# KiCad board TEST_PANEL.kicad_pcb (continued)
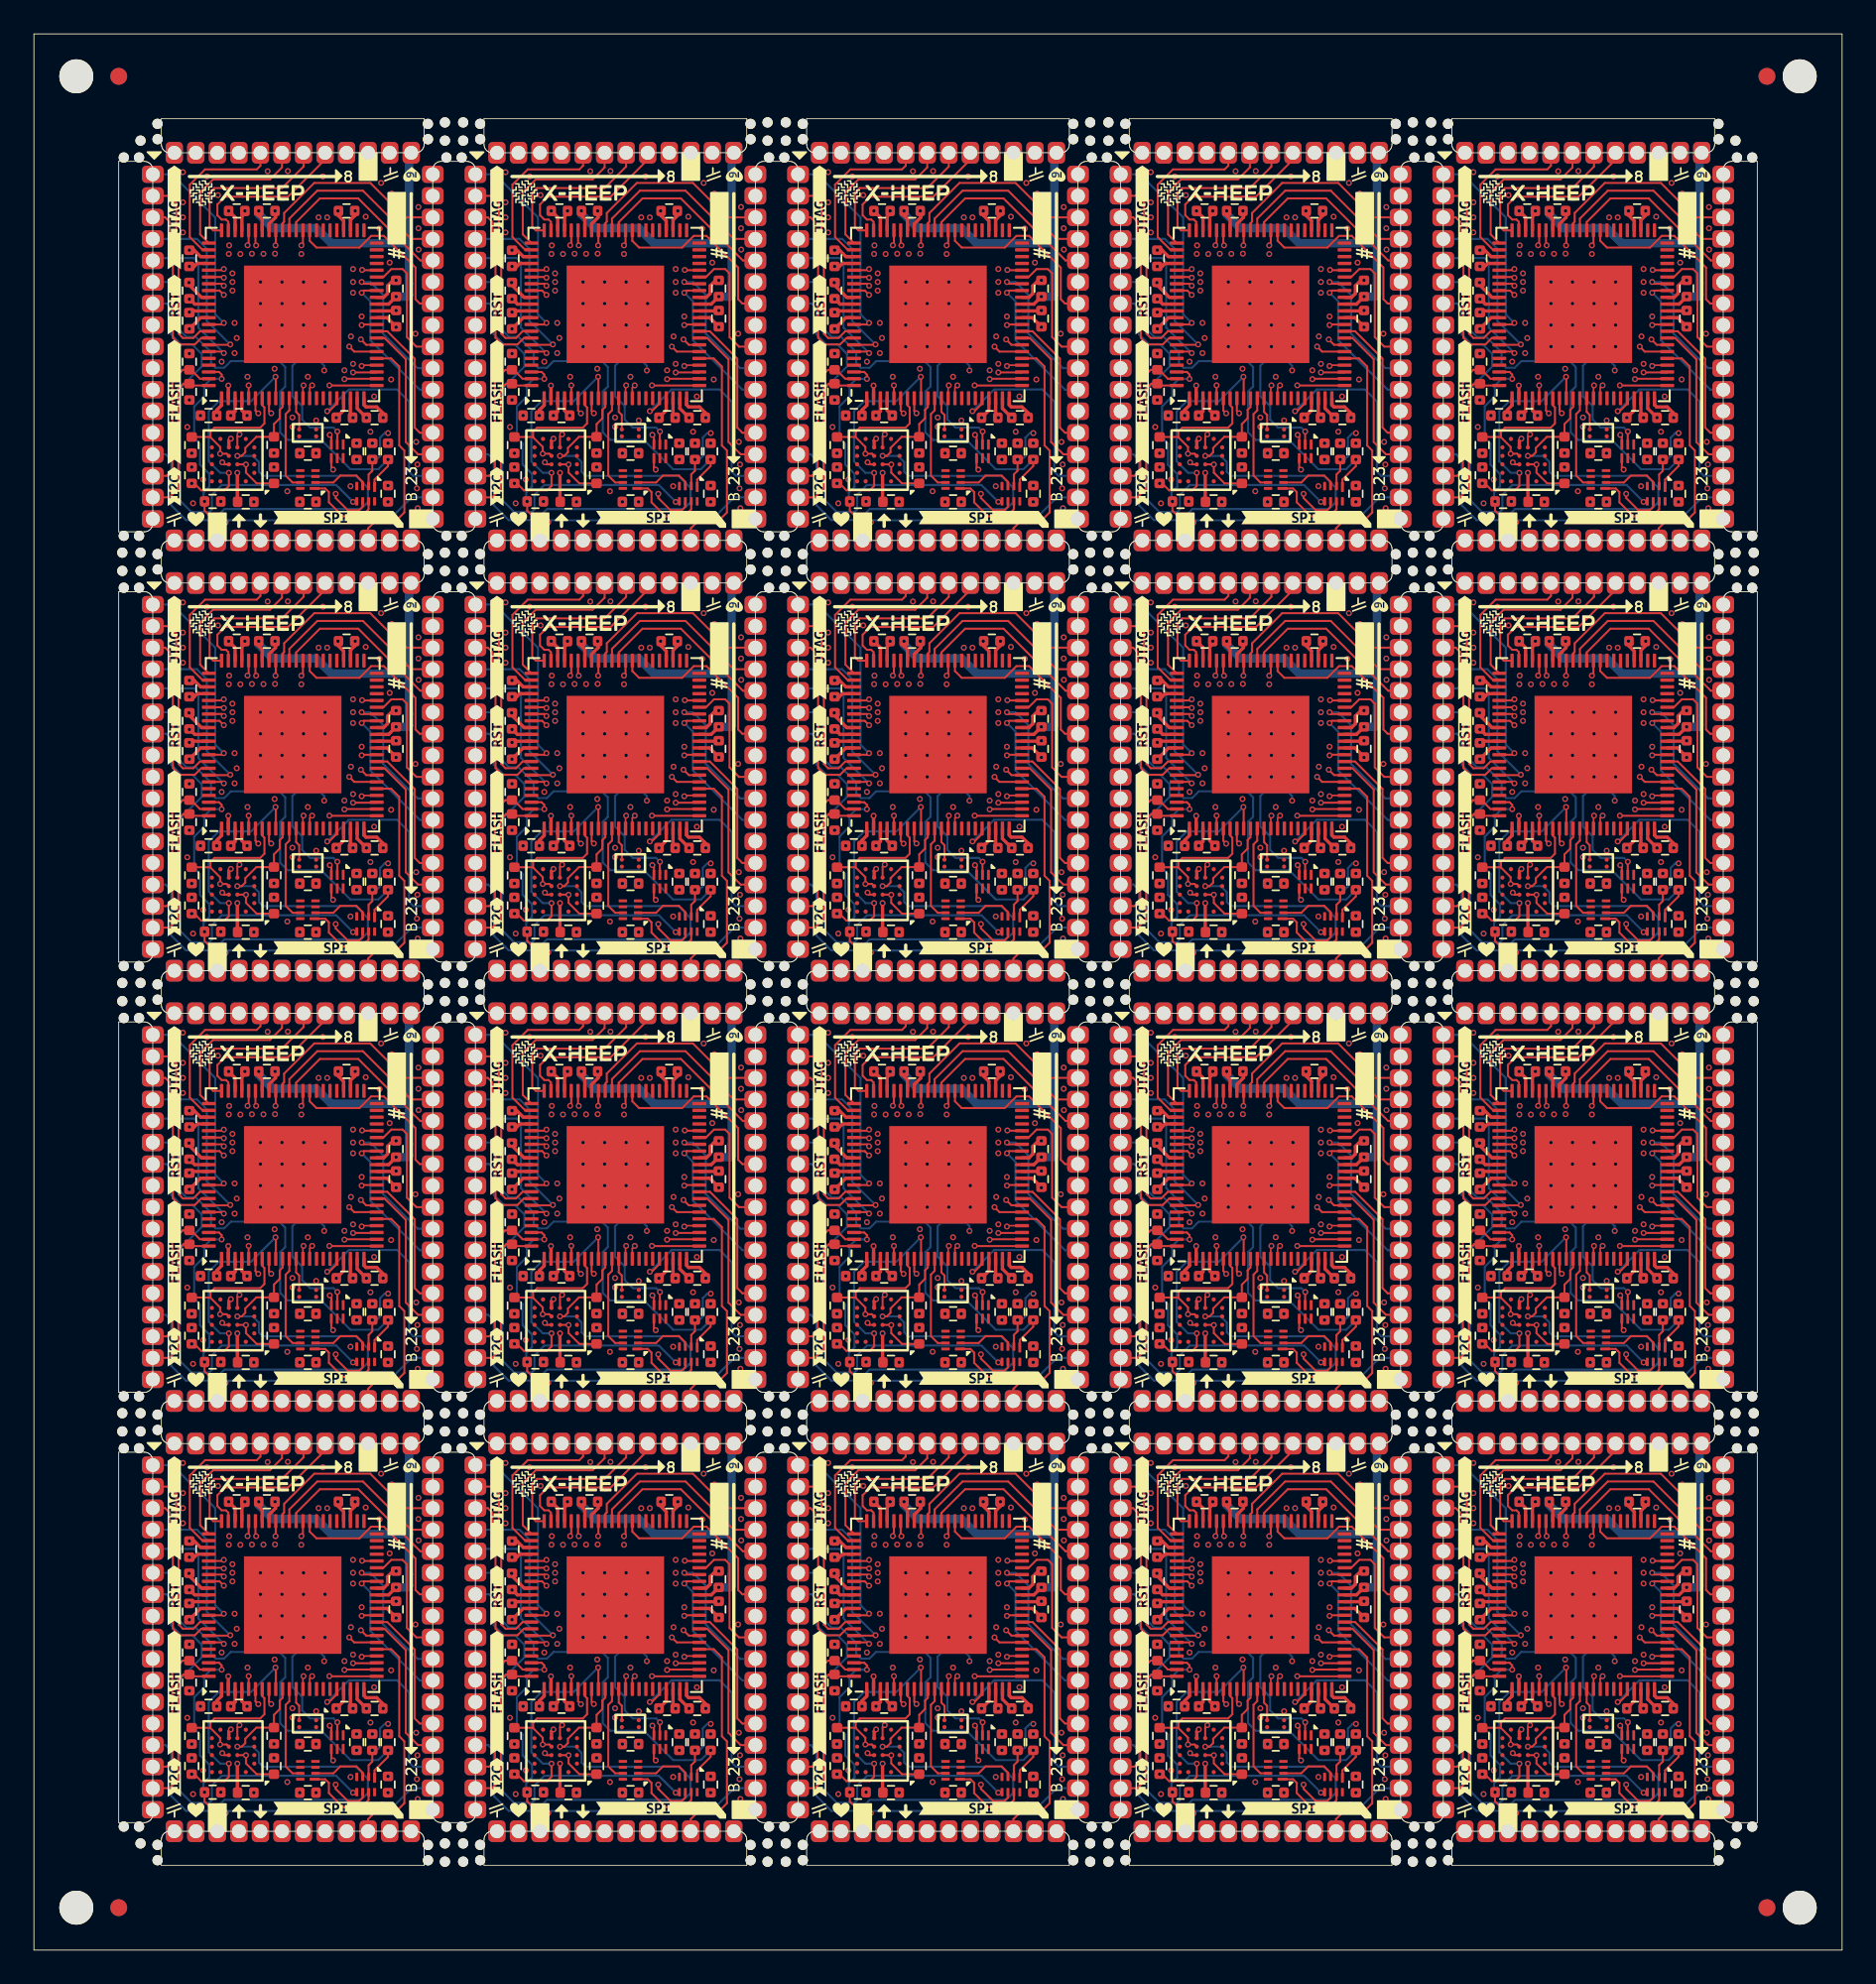
[diagram p0: board, top side]
## Placement (name value [footprint] x y rotation side) (continued)
C226  100n 10V  [C0402]  69.04 77.18 180 top
C227  100n 10V  [C0402]  66.25 70.7 270 top
C228  100n 10V  [C0402]  67.38 65.12 0 top
C229  100n 10V  [C0402]  77.17 64.99 180 top
C230  100n 10V  [C0402]  78.44 72.61 270 top
C231  100n 10V  [C0402]  66.25 72.48 270 top
C232  100n 10V  [C0402]  70.82 77.18 180 top
C233  100n 10V  [C0402]  66.25 74.39 270 top
C234  100n 10V  [C0402]  73.23 62.89 180 top
C235  100n 10V  [C0402]  69.57 60.02 180 top
C236  100n 10V  [C0402]  77.96 60.5 270 top
C237  100n 10V  [C0402]  76.11 63 270 top
C238  100n 10V  [C0402]  73.23 60.02 180 top
C239  100n 10V  [C0402]  88.19 65.12 180 top
C240  100n 10V  [C0402]  94.41 64.99 180 top
C241  100n 10V  [C0402]  97.46 70.83 270 top
C242  100n 10V  [C0402]  94.54 77.18 180 top
C243  100n 10V  [C0402]  88.06 77.18 180 top
C244  100n 10V  [C0402]  85.27 70.7 270 top
C245  100n 10V  [C0402]  86.4 65.12 0 top
C246  100n 10V  [C0402]  96.19 64.99 180 top
C247  100n 10V  [C0402]  97.46 72.61 270 top
C248  100n 10V  [C0402]  85.27 72.48 270 top
C249  100n 10V  [C0402]  89.84 77.18 180 top
C250  100n 10V  [C0402]  85.27 74.39 270 top
C251  100n 10V  [C0402]  92.26 62.89 180 top
C252  100n 10V  [C0402]  88.59 60.02 180 top
C253  100n 10V  [C0402]  96.98 60.5 270 top
C254  100n 10V  [C0402]  95.13 63 270 top
C255  100n 10V  [C0402]  92.26 60.02 180 top
C256  100n 10V  [C0402]  12.09 90.49 180 top
C257  100n 10V  [C0402]  18.31 90.36 180 top
C258  100n 10V  [C0402]  21.36 96.2 270 top
C259  100n 10V  [C0402]  18.44 102.55 180 top
C260  100n 10V  [C0402]  11.96 102.55 180 top
C261  100n 10V  [C0402]  9.17 96.07 270 top
C262  100n 10V  [C0402]  10.3 90.49 0 top
C263  100n 10V  [C0402]  20.09 90.36 180 top
C264  100n 10V  [C0402]  21.36 97.98 270 top
C265  100n 10V  [C0402]  9.17 97.85 270 top
C266  100n 10V  [C0402]  13.74 102.55 180 top
C267  100n 10V  [C0402]  9.17 99.76 270 top
C268  100n 10V  [C0402]  16.15 88.26 180 top
C269  100n 10V  [C0402]  12.49 85.4 180 top
C270  100n 10V  [C0402]  20.88 85.88 270 top
C271  100n 10V  [C0402]  19.03 88.37 270 top
C272  100n 10V  [C0402]  16.15 85.4 180 top
C273  100n 10V  [C0402]  31.11 90.49 180 top
C274  100n 10V  [C0402]  37.34 90.36 180 top
C275  100n 10V  [C0402]  40.38 96.2 270 top
C276  100n 10V  [C0402]  37.46 102.55 180 top
C277  100n 10V  [C0402]  30.99 102.55 180 top
C278  100n 10V  [C0402]  28.19 96.07 270 top
C279  100n 10V  [C0402]  29.33 90.49 0 top
C280  100n 10V  [C0402]  39.11 90.36 180 top
C281  100n 10V  [C0402]  40.38 97.98 270 top
C282  100n 10V  [C0402]  28.19 97.85 270 top
C283  100n 10V  [C0402]  32.77 102.55 180 top
C284  100n 10V  [C0402]  28.19 99.76 270 top
C285  100n 10V  [C0402]  35.18 88.26 180 top
C286  100n 10V  [C0402]  31.52 85.4 180 top
C287  100n 10V  [C0402]  39.91 85.88 270 top
C288  100n 10V  [C0402]  38.06 88.37 270 top
C289  100n 10V  [C0402]  35.18 85.4 180 top
C290  100n 10V  [C0402]  50.14 90.49 180 top
C291  100n 10V  [C0402]  56.36 90.36 180 top
C292  100n 10V  [C0402]  59.41 96.2 270 top
C293  100n 10V  [C0402]  56.49 102.55 180 top
C294  100n 10V  [C0402]  50.01 102.55 180 top
C295  100n 10V  [C0402]  47.22 96.07 270 top
C296  100n 10V  [C0402]  48.35 90.49 0 top
C297  100n 10V  [C0402]  58.14 90.36 180 top
C298  100n 10V  [C0402]  59.41 97.98 270 top
C299  100n 10V  [C0402]  47.22 97.85 270 top
C300  100n 10V  [C0402]  51.79 102.55 180 top
C301  100n 10V  [C0402]  47.22 99.76 270 top
C302  100n 10V  [C0402]  54.21 88.26 180 top
C303  100n 10V  [C0402]  50.54 85.4 180 top
C304  100n 10V  [C0402]  58.93 85.88 270 top
C305  100n 10V  [C0402]  57.08 88.37 270 top
C306  100n 10V  [C0402]  54.21 85.4 180 top
C307  100n 10V  [C0402]  69.17 90.49 180 top
C308  100n 10V  [C0402]  75.39 90.36 180 top
C309  100n 10V  [C0402]  78.44 96.2 270 top
C310  100n 10V  [C0402]  75.52 102.55 180 top
C311  100n 10V  [C0402]  69.04 102.55 180 top
C312  100n 10V  [C0402]  66.25 96.07 270 top
C313  100n 10V  [C0402]  67.38 90.49 0 top
C314  100n 10V  [C0402]  77.17 90.36 180 top
C315  100n 10V  [C0402]  78.44 97.98 270 top
C316  100n 10V  [C0402]  66.25 97.85 270 top
C317  100n 10V  [C0402]  70.82 102.55 180 top
C318  100n 10V  [C0402]  66.25 99.76 270 top
C319  100n 10V  [C0402]  73.23 88.26 180 top
C320  100n 10V  [C0402]  69.57 85.4 180 top
C321  100n 10V  [C0402]  77.96 85.88 270 top
C322  100n 10V  [C0402]  76.11 88.37 270 top
C323  100n 10V  [C0402]  73.23 85.4 180 top
C324  100n 10V  [C0402]  88.19 90.49 180 top
C325  100n 10V  [C0402]  94.41 90.36 180 top
C326  100n 10V  [C0402]  97.46 96.2 270 top
C327  100n 10V  [C0402]  94.54 102.55 180 top
C328  100n 10V  [C0402]  88.06 102.55 180 top
C329  100n 10V  [C0402]  85.27 96.07 270 top
C330  100n 10V  [C0402]  86.4 90.49 0 top
C331  100n 10V  [C0402]  96.19 90.36 180 top
C332  100n 10V  [C0402]  97.46 97.98 270 top
C333  100n 10V  [C0402]  85.27 97.85 270 top
C334  100n 10V  [C0402]  89.84 102.55 180 top
C335  100n 10V  [C0402]  85.27 99.76 270 top
C336  100n 10V  [C0402]  92.26 88.26 180 top
C337  100n 10V  [C0402]  88.59 85.4 180 top
C338  100n 10V  [C0402]  96.98 85.88 270 top
C339  100n 10V  [C0402]  95.13 88.37 270 top
C340  100n 10V  [C0402]  92.26 85.4 180 top
G***  -  [LOGO]  22.36 27.65 180 top
G***1  -  [LOGO]  28.32 9.34 0 top
G***2  -  [LOGO]  38.94 13.18 180 bottom
G***3  -  [LOGO]  34.38 26.82 180 bottom
G***4  -  [LOGO]  41.39 27.65 180 top
G***5  -  [LOGO]  31.92 27.71 0 top
G***6  -  [LOGO]  47.34 9.34 0 top
G***7  -  [LOGO]  57.97 13.18 180 bottom
G***8  -  [LOGO]  53.4 26.82 180 bottom
G***9  -  [LOGO]  60.41 27.65 180 top
G***10  -  [LOGO]  50.95 27.71 0 top
G***11  -  [LOGO]  66.37 9.34 0 top
G***12  -  [LOGO]  76.99 13.18 180 bottom
G***13  -  [LOGO]  72.43 26.82 180 bottom
G***14  -  [LOGO]  79.44 27.65 180 top
G***15  -  [LOGO]  69.97 27.71 0 top
G***16  -  [LOGO]  85.39 9.34 0 top
G***17  -  [LOGO]  96.02 13.18 180 bottom
G***18  -  [LOGO]  91.45 26.82 180 bottom
G***19  -  [LOGO]  98.47 27.65 180 top
G***20  -  [LOGO]  89 27.71 0 top
G***21  -  [LOGO]  9.29 34.72 0 top
G***22  -  [LOGO]  19.91 38.55 180 bottom
G***23  -  [LOGO]  15.35 52.19 180 bottom
G***24  -  [LOGO]  22.36 53.02 180 top
G***25  -  [LOGO]  12.89 53.08 0 top
G***26  -  [LOGO]  28.32 34.72 0 top
G***27  -  [LOGO]  38.94 38.55 180 bottom
G***28  -  [LOGO]  34.38 52.19 180 bottom
G***29  -  [LOGO]  41.39 53.02 180 top
G***30  -  [LOGO]  31.92 53.08 0 top
G***31  -  [LOGO]  47.34 34.72 0 top
G***32  -  [LOGO]  57.97 38.55 180 bottom
G***33  -  [LOGO]  53.4 52.19 180 bottom
G***34  -  [LOGO]  60.41 53.02 180 top
G***35  -  [LOGO]  50.95 53.08 0 top
G***36  -  [LOGO]  66.37 34.72 0 top
G***37  -  [LOGO]  76.99 38.55 180 bottom
G***38  -  [LOGO]  72.43 52.19 180 bottom
G***39  -  [LOGO]  79.44 53.02 180 top
G***40  -  [LOGO]  69.97 53.08 0 top
G***41  -  [LOGO]  85.39 34.72 0 top
G***42  -  [LOGO]  96.02 38.55 180 bottom
G***43  -  [LOGO]  91.45 52.19 180 bottom
G***44  -  [LOGO]  98.47 53.02 180 top
G***45  -  [LOGO]  89 53.08 0 top
G***46  -  [LOGO]  9.29 60.09 0 top
G***47  -  [LOGO]  19.91 63.92 180 bottom
G***48  -  [LOGO]  15.35 77.56 180 bottom
G***49  -  [LOGO]  22.36 78.39 180 top
G***50  -  [LOGO]  12.89 78.45 0 top
G***51  -  [LOGO]  28.32 60.09 0 top
G***52  -  [LOGO]  38.94 63.92 180 bottom
G***53  -  [LOGO]  34.38 77.56 180 bottom
G***54  -  [LOGO]  41.39 78.39 180 top
G***55  -  [LOGO]  31.92 78.45 0 top
G***56  -  [LOGO]  47.34 60.09 0 top
G***57  -  [LOGO]  57.97 63.92 180 bottom
G***58  -  [LOGO]  53.4 77.56 180 bottom
G***59  -  [LOGO]  60.41 78.39 180 top
G***60  -  [LOGO]  50.95 78.45 0 top
G***61  -  [LOGO]  66.37 60.09 0 top
G***62  -  [LOGO]  76.99 63.92 180 bottom
G***63  -  [LOGO]  72.43 77.56 180 bottom
G***64  -  [LOGO]  79.44 78.39 180 top
G***65  -  [LOGO]  69.97 78.45 0 top
G***66  -  [LOGO]  85.39 60.09 0 top
G***67  -  [LOGO]  96.02 63.92 180 bottom
G***68  -  [LOGO]  91.45 77.56 180 bottom
G***69  -  [LOGO]  98.47 78.39 180 top
G***70  -  [LOGO]  89 78.45 0 top
G***71  -  [LOGO]  9.29 85.46 0 top
G***72  -  [LOGO]  19.91 89.29 180 bottom
G***73  -  [LOGO]  15.35 102.93 180 bottom
G***74  -  [LOGO]  22.36 103.76 180 top
G***75  -  [LOGO]  12.89 103.82 0 top
G***76  -  [LOGO]  28.32 85.46 0 top
G***77  -  [LOGO]  38.94 89.29 180 bottom
G***78  -  [LOGO]  34.38 102.93 180 bottom
G***79  -  [LOGO]  41.39 103.76 180 top
G***80  -  [LOGO]  31.92 103.82 0 top
G***81  -  [LOGO]  47.34 85.46 0 top
G***82  -  [LOGO]  57.97 89.29 180 bottom
G***83  -  [LOGO]  53.4 102.93 180 bottom
G***84  -  [LOGO]  60.41 103.76 180 top
G***85  -  [LOGO]  50.95 103.82 0 top
G***86  -  [LOGO]  66.37 85.46 0 top
G***87  -  [LOGO]  76.99 89.29 180 bottom
G***88  -  [LOGO]  72.43 102.93 180 bottom
G***89  -  [LOGO]  79.44 103.76 180 top
G***90  -  [LOGO]  69.97 103.82 0 top
G***91  -  [LOGO]  85.39 85.46 0 top
G***92  -  [LOGO]  96.02 89.29 180 bottom
G***93  -  [LOGO]  91.45 102.93 180 bottom
G***94  -  [LOGO]  98.47 103.76 180 top
G***95  -  [LOGO]  89 103.82 0 top
G***#2  -  [LOGO]  9.29 9.34 0 top
G***#3  -  [LOGO]  12.89 27.71 0 top
G***#4  -  [LOGO]  19.91 13.18 180 bottom
G***#5  -  [LOGO]  15.35 26.82 180 bottom
J1  ~  [CHEEP_Board_Castellated_Conn_1.27mm]  15.26 17.17 0 top
J2  ~  [CHEEP_Board_Castellated_Conn_1.27mm]  34.29 17.17 0 top
J3  ~  [CHEEP_Board_Castellated_Conn_1.27mm]  53.31 17.17 0 top
J4  ~  [CHEEP_Board_Castellated_Conn_1.27mm]  72.34 17.17 0 top
J5  ~  [CHEEP_Board_Castellated_Conn_1.27mm]  91.37 17.17 0 top
J6  ~  [CHEEP_Board_Castellated_Conn_1.27mm]  15.26 42.54 0 top
J7  ~  [CHEEP_Board_Castellated_Conn_1.27mm]  34.29 42.54 0 top
J8  ~  [CHEEP_Board_Castellated_Conn_1.27mm]  53.31 42.54 0 top
J9  ~  [CHEEP_Board_Castellated_Conn_1.27mm]  72.34 42.54 0 top
J10  ~  [CHEEP_Board_Castellated_Conn_1.27mm]  91.37 42.54 0 top
J11  ~  [CHEEP_Board_Castellated_Conn_1.27mm]  15.26 67.91 0 top
J12  ~  [CHEEP_Board_Castellated_Conn_1.27mm]  34.29 67.91 0 top
J13  ~  [CHEEP_Board_Castellated_Conn_1.27mm]  53.31 67.91 0 top
J14  ~  [CHEEP_Board_Castellated_Conn_1.27mm]  72.34 67.91 0 top
J15  ~  [CHEEP_Board_Castellated_Conn_1.27mm]  91.37 67.91 0 top
J16  ~  [CHEEP_Board_Castellated_Conn_1.27mm]  15.26 93.28 0 top
J17  ~  [CHEEP_Board_Castellated_Conn_1.27mm]  34.29 93.28 0 top
J18  ~  [CHEEP_Board_Castellated_Conn_1.27mm]  53.31 93.28 0 top
J19  ~  [CHEEP_Board_Castellated_Conn_1.27mm]  72.34 93.28 0 top
J20  ~  [CHEEP_Board_Castellated_Conn_1.27mm]  91.37 93.28 0 top
kibuzzard-66E06A1  G***  [kibuzzard-66E06A67]  34.38 23.26 180 bottom
kibuzzard-66E06A2  G***  [kibuzzard-66E06A67]  53.4 23.26 180 bottom
kibuzzard-66E06A3  G***  [kibuzzard-66E06A67]  72.43 23.26 180 bottom
kibuzzard-66E06A4  G***  [kibuzzard-66E06A67]  91.45 23.26 180 bottom
kibuzzard-66E06A5  G***  [kibuzzard-66E06A67]  15.35 48.63 180 bottom
kibuzzard-66E06A6  G***  [kibuzzard-66E06A67]  34.38 48.63 180 bottom
kibuzzard-66E06A7  G***  [kibuzzard-66E06A67]  53.4 48.63 180 bottom
kibuzzard-66E06A8  G***  [kibuzzard-66E06A67]  72.43 48.63 180 bottom
kibuzzard-66E06A9  G***  [kibuzzard-66E06A67]  91.45 48.63 180 bottom
kibuzzard-66E06A10  G***  [kibuzzard-66E06A67]  15.35 74.01 180 bottom
kibuzzard-66E06A11  G***  [kibuzzard-66E06A67]  34.38 74.01 180 bottom
kibuzzard-66E06A12  G***  [kibuzzard-66E06A67]  53.4 74.01 180 bottom
kibuzzard-66E06A13  G***  [kibuzzard-66E06A67]  72.43 74.01 180 bottom
kibuzzard-66E06A14  G***  [kibuzzard-66E06A67]  91.45 74.01 180 bottom
kibuzzard-66E06A15  G***  [kibuzzard-66E06A67]  15.35 99.38 180 bottom
kibuzzard-66E06A16  G***  [kibuzzard-66E06A67]  34.38 99.38 180 bottom
kibuzzard-66E06A17  G***  [kibuzzard-66E06A67]  53.4 99.38 180 bottom
kibuzzard-66E06A18  G***  [kibuzzard-66E06A67]  72.43 99.38 180 bottom
kibuzzard-66E06A19  G***  [kibuzzard-66E06A67]  91.45 99.38 180 bottom
kibuzzard-66E06A67  G***  [kibuzzard-66E06A67]  15.35 23.26 180 bottom
kibuzzard-66E06AA1  G***  [kibuzzard-66E06AA7]  34.38 9.29 180 bottom
kibuzzard-66E06AA2  G***  [kibuzzard-66E06AA7]  53.4 9.29 180 bottom
kibuzzard-66E06AA3  G***  [kibuzzard-66E06AA7]  72.43 9.29 180 bottom
kibuzzard-66E06AA4  G***  [kibuzzard-66E06AA7]  91.45 9.29 180 bottom
kibuzzard-66E06AA5  G***  [kibuzzard-66E06AA7]  15.35 34.66 180 bottom
kibuzzard-66E06AA6  G***  [kibuzzard-66E06AA7]  34.38 34.66 180 bottom
kibuzzard-66E06AA7  G***  [kibuzzard-66E06AA7]  15.35 9.29 180 bottom
kibuzzard-66E06AA8  G***  [kibuzzard-66E06AA7]  53.4 34.66 180 bottom
kibuzzard-66E06AA9  G***  [kibuzzard-66E06AA7]  72.43 34.66 180 bottom
kibuzzard-66E06AA10  G***  [kibuzzard-66E06AA7]  91.45 34.66 180 bottom
kibuzzard-66E06AA11  G***  [kibuzzard-66E06AA7]  15.35 60.04 180 bottom
kibuzzard-66E06AA12  G***  [kibuzzard-66E06AA7]  34.38 60.04 180 bottom
kibuzzard-66E06AA13  G***  [kibuzzard-66E06AA7]  53.4 60.04 180 bottom
kibuzzard-66E06AA14  G***  [kibuzzard-66E06AA7]  72.43 60.04 180 bottom
kibuzzard-66E06AA15  G***  [kibuzzard-66E06AA7]  91.45 60.04 180 bottom
kibuzzard-66E06AA16  G***  [kibuzzard-66E06AA7]  15.35 85.41 180 bottom
kibuzzard-66E06AA17  G***  [kibuzzard-66E06AA7]  34.38 85.41 180 bottom
kibuzzard-66E06AA18  G***  [kibuzzard-66E06AA7]  53.4 85.41 180 bottom
kibuzzard-66E06AA19  G***  [kibuzzard-66E06AA7]  72.43 85.41 180 bottom
kibuzzard-66E06AA20  G***  [kibuzzard-66E06AA7]  91.45 85.41 180 bottom
kibuzzard-66E06AC0  G***  [kibuzzard-66E06AC0]  15.35 19.45 180 bottom
kibuzzard-66E06AC1  G***  [kibuzzard-66E06AC0]  34.38 19.45 180 bottom
kibuzzard-66E06AC2  G***  [kibuzzard-66E06AC0]  53.4 19.45 180 bottom
kibuzzard-66E06AC3  G***  [kibuzzard-66E06AC0]  72.43 19.45 180 bottom
kibuzzard-66E06AC4  G***  [kibuzzard-66E06AC0]  91.45 19.45 180 bottom
kibuzzard-66E06AC5  G***  [kibuzzard-66E06AC0]  15.35 44.82 180 bottom
kibuzzard-66E06AC6  G***  [kibuzzard-66E06AC0]  34.38 44.82 180 bottom
kibuzzard-66E06AC7  G***  [kibuzzard-66E06AC0]  53.4 44.82 180 bottom
kibuzzard-66E06AC8  G***  [kibuzzard-66E06AC0]  72.43 44.82 180 bottom
kibuzzard-66E06AC9  G***  [kibuzzard-66E06AC0]  91.45 44.82 180 bottom
kibuzzard-66E06AC10  G***  [kibuzzard-66E06AC0]  15.35 70.2 180 bottom
kibuzzard-66E06AC11  G***  [kibuzzard-66E06AC0]  34.38 70.2 180 bottom
kibuzzard-66E06AC12  G***  [kibuzzard-66E06AC0]  53.4 70.2 180 bottom
kibuzzard-66E06AC13  G***  [kibuzzard-66E06AC0]  72.43 70.2 180 bottom
kibuzzard-66E06AC14  G***  [kibuzzard-66E06AC0]  91.45 70.2 180 bottom
kibuzzard-66E06AC15  G***  [kibuzzard-66E06AC0]  15.35 95.57 180 bottom
kibuzzard-66E06AC16  G***  [kibuzzard-66E06AC0]  34.38 95.57 180 bottom
kibuzzard-66E06AC17  G***  [kibuzzard-66E06AC0]  53.4 95.57 180 bottom
kibuzzard-66E06AC18  G***  [kibuzzard-66E06AC0]  72.43 95.57 180 bottom
kibuzzard-66E06AC19  G***  [kibuzzard-66E06AC0]  91.45 95.57 180 bottom
kibuzzard-67265A1  G***  [kibuzzard-67265A85]  27.3 26.06 90 top
kibuzzard-67265A2  G***  [kibuzzard-67265A85]  46.33 26.06 90 top
kibuzzard-67265A3  G***  [kibuzzard-67265A85]  65.36 26.06 90 top
kibuzzard-67265A4  G***  [kibuzzard-67265A85]  84.38 26.06 90 top
kibuzzard-67265A5  G***  [kibuzzard-67265A85]  8.28 51.43 90 top
kibuzzard-67265A6  G***  [kibuzzard-67265A85]  27.3 51.43 90 top
kibuzzard-67265A7  G***  [kibuzzard-67265A85]  46.33 51.43 90 top
kibuzzard-67265A8  G***  [kibuzzard-67265A85]  65.36 51.43 90 top
kibuzzard-67265A9  G***  [kibuzzard-67265A85]  84.38 51.43 90 top
kibuzzard-67265A10  G***  [kibuzzard-67265A85]  8.28 76.8 90 top
kibuzzard-67265A11  G***  [kibuzzard-67265A85]  27.3 76.8 90 top
kibuzzard-67265A12  G***  [kibuzzard-67265A85]  46.33 76.8 90 top
kibuzzard-67265A13  G***  [kibuzzard-67265A85]  65.36 76.8 90 top
kibuzzard-67265A14  G***  [kibuzzard-67265A85]  84.38 76.8 90 top
kibuzzard-67265A15  G***  [kibuzzard-67265A85]  8.28 102.17 90 top
kibuzzard-67265A16  G***  [kibuzzard-67265A85]  27.3 102.17 90 top
kibuzzard-67265A17  G***  [kibuzzard-67265A85]  46.33 102.17 90 top
kibuzzard-67265A18  G***  [kibuzzard-67265A85]  65.36 102.17 90 top
kibuzzard-67265A19  G***  [kibuzzard-67265A85]  84.38 102.17 90 top
kibuzzard-67265A85  G***  [kibuzzard-67265A85]  8.28 26.06 90 top
kibuzzard-67265AAD  G***  [kibuzzard-67265AAD]  8.28 20.92 90 top
kibuzzard-67265AAD1  G***  [kibuzzard-67265AAD]  27.3 20.92 90 top
kibuzzard-67265AAD2  G***  [kibuzzard-67265AAD]  46.33 20.92 90 top
kibuzzard-67265AAD3  G***  [kibuzzard-67265AAD]  65.36 20.92 90 top
kibuzzard-67265AAD4  G***  [kibuzzard-67265AAD]  84.38 20.92 90 top
kibuzzard-67265AAD5  G***  [kibuzzard-67265AAD]  8.28 46.29 90 top
kibuzzard-67265AAD6  G***  [kibuzzard-67265AAD]  27.3 46.29 90 top
kibuzzard-67265AAD7  G***  [kibuzzard-67265AAD]  46.33 46.29 90 top
kibuzzard-67265AAD8  G***  [kibuzzard-67265AAD]  65.36 46.29 90 top
kibuzzard-67265AAD9  G***  [kibuzzard-67265AAD]  84.38 46.29 90 top
kibuzzard-67265AAD10  G***  [kibuzzard-67265AAD]  8.28 71.66 90 top
kibuzzard-67265AAD11  G***  [kibuzzard-67265AAD]  27.3 71.66 90 top
kibuzzard-67265AAD12  G***  [kibuzzard-67265AAD]  46.33 71.66 90 top
kibuzzard-67265AAD13  G***  [kibuzzard-67265AAD]  65.36 71.66 90 top
kibuzzard-67265AAD14  G***  [kibuzzard-67265AAD]  84.38 71.66 90 top
kibuzzard-67265AAD15  G***  [kibuzzard-67265AAD]  8.28 97.03 90 top
kibuzzard-67265AAD16  G***  [kibuzzard-67265AAD]  27.3 97.03 90 top
kibuzzard-67265AAD17  G***  [kibuzzard-67265AAD]  46.33 97.03 90 top
kibuzzard-67265AAD18  G***  [kibuzzard-67265AAD]  65.36 97.03 90 top
kibuzzard-67265AAD19  G***  [kibuzzard-67265AAD]  84.38 97.03 90 top
kibuzzard-67265ADF  G***  [kibuzzard-67265ADF]  8.28 15.17 90 top
kibuzzard-67265ADF1  G***  [kibuzzard-67265ADF]  27.3 15.17 90 top
kibuzzard-67265ADF2  G***  [kibuzzard-67265ADF]  46.33 15.17 90 top
kibuzzard-67265ADF3  G***  [kibuzzard-67265ADF]  65.36 15.17 90 top
kibuzzard-67265ADF4  G***  [kibuzzard-67265ADF]  84.38 15.17 90 top
kibuzzard-67265ADF5  G***  [kibuzzard-67265ADF]  8.28 40.54 90 top
kibuzzard-67265ADF6  G***  [kibuzzard-67265ADF]  27.3 40.54 90 top
kibuzzard-67265ADF7  G***  [kibuzzard-67265ADF]  46.33 40.54 90 top
kibuzzard-67265ADF8  G***  [kibuzzard-67265ADF]  65.36 40.54 90 top
kibuzzard-67265ADF9  G***  [kibuzzard-67265ADF]  84.38 40.54 90 top
kibuzzard-67265ADF10  G***  [kibuzzard-67265ADF]  8.28 65.91 90 top
kibuzzard-67265ADF11  G***  [kibuzzard-67265ADF]  27.3 65.91 90 top
kibuzzard-67265ADF12  G***  [kibuzzard-67265ADF]  46.33 65.91 90 top
kibuzzard-67265ADF13  G***  [kibuzzard-67265ADF]  65.36 65.91 90 top
kibuzzard-67265ADF14  G***  [kibuzzard-67265ADF]  84.38 65.91 90 top
kibuzzard-67265ADF15  G***  [kibuzzard-67265ADF]  8.28 91.28 90 top
kibuzzard-67265ADF16  G***  [kibuzzard-67265ADF]  27.3 91.28 90 top
kibuzzard-67265ADF17  G***  [kibuzzard-67265ADF]  46.33 91.28 90 top
kibuzzard-67265ADF18  G***  [kibuzzard-67265ADF]  65.36 91.28 90 top
kibuzzard-67265ADF19  G***  [kibuzzard-67265ADF]  84.38 91.28 90 top
kibuzzard-67265AFB  G***  [kibuzzard-67265AFB]  8.28 10.18 90 top
kibuzzard-67265AFB1  G***  [kibuzzard-67265AFB]  27.3 10.18 90 top
kibuzzard-67265AFB2  G***  [kibuzzard-67265AFB]  46.33 10.18 90 top
kibuzzard-67265AFB3  G***  [kibuzzard-67265AFB]  65.36 10.18 90 top
kibuzzard-67265AFB4  G***  [kibuzzard-67265AFB]  84.38 10.18 90 top
kibuzzard-67265AFB5  G***  [kibuzzard-67265AFB]  8.28 35.55 90 top
kibuzzard-67265AFB6  G***  [kibuzzard-67265AFB]  27.3 35.55 90 top
kibuzzard-67265AFB7  G***  [kibuzzard-67265AFB]  46.33 35.55 90 top
kibuzzard-67265AFB8  G***  [kibuzzard-67265AFB]  65.36 35.55 90 top
kibuzzard-67265AFB9  G***  [kibuzzard-67265AFB]  84.38 35.55 90 top
kibuzzard-67265AFB10  G***  [kibuzzard-67265AFB]  8.28 60.92 90 top
kibuzzard-67265AFB11  G***  [kibuzzard-67265AFB]  27.3 60.92 90 top
kibuzzard-67265AFB12  G***  [kibuzzard-67265AFB]  46.33 60.92 90 top
kibuzzard-67265AFB13  G***  [kibuzzard-67265AFB]  65.36 60.92 90 top
kibuzzard-67265AFB14  G***  [kibuzzard-67265AFB]  84.38 60.92 90 top
kibuzzard-67265AFB15  G***  [kibuzzard-67265AFB]  8.28 86.3 90 top
kibuzzard-67265AFB16  G***  [kibuzzard-67265AFB]  27.3 86.3 90 top
kibuzzard-67265AFB17  G***  [kibuzzard-67265AFB]  46.33 86.3 90 top
kibuzzard-67265AFB18  G***  [kibuzzard-67265AFB]  65.36 86.3 90 top
kibuzzard-67265AFB19  G***  [kibuzzard-67265AFB]  84.38 86.3 90 top
kibuzzard-67265BD1  G***  [kibuzzard-67265BD8]  36.81 8.36 0 top
kibuzzard-67265BD2  G***  [kibuzzard-67265BD8]  55.84 8.36 0 top
kibuzzard-67265BD3  G***  [kibuzzard-67265BD8]  74.86 8.36 0 top
kibuzzard-67265BD4  G***  [kibuzzard-67265BD8]  93.89 8.36 0 top
kibuzzard-67265BD5  G***  [kibuzzard-67265BD8]  17.78 33.73 0 top
kibuzzard-67265BD6  G***  [kibuzzard-67265BD8]  36.81 33.73 0 top
kibuzzard-67265BD7  G***  [kibuzzard-67265BD8]  55.84 33.73 0 top
kibuzzard-67265BD8  G***  [kibuzzard-67265BD8]  17.78 8.36 0 top
kibuzzard-67265BD9  G***  [kibuzzard-67265BD8]  74.86 33.73 0 top
kibuzzard-67265BD10  G***  [kibuzzard-67265BD8]  93.89 33.73 0 top
kibuzzard-67265BD11  G***  [kibuzzard-67265BD8]  17.78 59.1 0 top
kibuzzard-67265BD12  G***  [kibuzzard-67265BD8]  36.81 59.1 0 top
kibuzzard-67265BD13  G***  [kibuzzard-67265BD8]  55.84 59.1 0 top
kibuzzard-67265BD14  G***  [kibuzzard-67265BD8]  74.86 59.1 0 top
kibuzzard-67265BD15  G***  [kibuzzard-67265BD8]  93.89 59.1 0 top
kibuzzard-67265BD16  G***  [kibuzzard-67265BD8]  17.78 84.47 0 top
kibuzzard-67265BD17  G***  [kibuzzard-67265BD8]  36.81 84.47 0 top
kibuzzard-67265BD18  G***  [kibuzzard-67265BD8]  55.84 84.47 0 top
kibuzzard-67265BD19  G***  [kibuzzard-67265BD8]  74.86 84.47 0 top
kibuzzard-67265BD20  G***  [kibuzzard-67265BD8]  93.89 84.47 0 top
KiKit_FID_B_3  -  [Fiducial]  102.2 110.49 0 bottom
KiKit_FID_B_3#2  -  [Fiducial]  102.2 2.5 0 bottom
KiKit_FID_B_3#3  -  [Fiducial]  5 2.5 0 bottom
KiKit_FID_B_3#4  -  [Fiducial]  5 110.49 0 bottom
KiKit_FID_T_3  -  [Fiducial]  102.2 110.49 0 top
KiKit_FID_T_3#2  -  [Fiducial]  102.2 2.5 0 top
KiKit_FID_T_3#3  -  [Fiducial]  5 2.5 0 top
KiKit_FID_T_3#4  -  [Fiducial]  5 110.49 0 top
KiKit_MB_124_1  NPTH  [NPTH#2]  42.03 6.2 0 top
KiKit_MB_124_2  NPTH  [NPTH#2]  23 6.2 0 top
KiKit_MB_124_2#2  -  [NPTH]  24.43 7.5 0 top
KiKit_MB_124_3  -  [NPTH]  43.45 7.5 0 top
KiKit_MB_124_4  NPTH  [NPTH#2]  61.05 6.2 0 top
KiKit_MB_124_5  -  [NPTH]  62.48 7.5 0 top
KiKit_MB_124_6  NPTH  [NPTH#2]  80.08 6.2 0 top
KiKit_MB_124_7  -  [NPTH]  81.5 7.5 0 top
KiKit_MB_124_8  NPTH  [NPTH#2]  23 31.57 0 top
KiKit_MB_124_9  -  [NPTH]  24.43 32.87 0 top
KiKit_MB_124_10  NPTH  [NPTH#2]  42.03 31.57 0 top
KiKit_MB_124_11  -  [NPTH]  43.45 32.87 0 top
KiKit_MB_124_12  NPTH  [NPTH#2]  61.05 31.57 0 top
KiKit_MB_124_13  -  [NPTH]  62.48 32.87 0 top
KiKit_MB_124_14  NPTH  [NPTH#2]  80.08 31.57 0 top
KiKit_MB_124_15  -  [NPTH]  81.5 32.87 0 top
KiKit_MB_124_16  NPTH  [NPTH#2]  23 56.94 0 top
KiKit_MB_124_17  -  [NPTH]  24.43 58.24 0 top
KiKit_MB_124_18  NPTH  [NPTH#2]  42.03 56.94 0 top
KiKit_MB_124_19  -  [NPTH]  43.45 58.24 0 top
KiKit_MB_124_20  NPTH  [NPTH#2]  61.05 56.94 0 top
KiKit_MB_124_21  -  [NPTH]  62.48 58.24 0 top
KiKit_MB_124_22  NPTH  [NPTH#2]  80.08 56.94 0 top
KiKit_MB_124_23  -  [NPTH]  81.5 58.24 0 top
KiKit_MB_124_24  NPTH  [NPTH#2]  23 82.31 0 top
KiKit_MB_124_25  -  [NPTH]  24.43 83.61 0 top
KiKit_MB_124_26  NPTH  [NPTH#2]  42.03 82.31 0 top
KiKit_MB_124_27  -  [NPTH]  43.45 83.61 0 top
KiKit_MB_124_28  NPTH  [NPTH#2]  61.05 82.31 0 top
KiKit_MB_124_29  -  [NPTH]  62.48 83.61 0 top
KiKit_MB_124_30  NPTH  [NPTH#2]  80.08 82.31 0 top
KiKit_MB_124_31  -  [NPTH]  81.5 83.61 0 top
KiKit_MB_124_32  NPTH  [NPTH#2]  23 107.68 0 top
KiKit_MB_124_34  NPTH  [NPTH#2]  42.03 107.68 0 top
KiKit_MB_124_36  NPTH  [NPTH#2]  61.05 107.68 0 top
KiKit_MB_124_38  NPTH  [NPTH#2]  80.08 107.68 0 top
KiKit_TO_3  NPTH  [NPTH#3]  2.2 110.4 0 top
KiKit_TO_3#2  NPTH  [NPTH#3]  2.2 2.41 0 top
NOREF  -  [unnamed#2]  6.2 7.28 0 top
NOREF#2  -  [unnamed#2]  101.33 105.7 0 top
NOREF#3  -  [unnamed#2]  26.3 6.2 0 top
NOREF#4  -  [unnamed#2]  7.29 5.3 0 top
NOREF#5  -  [unnamed#2]  100.34 81.32 0 top
NOREF#6  -  [unnamed#2]  6.29 31.66 0 top
NOREF#7  -  [unnamed#2]  101.33 83.39 0 top
NOREF#8  -  [unnamed]  25.3 7.28 0 top
NOREF#9  -  [unnamed#2]  6.2 80.33 0 top
NOREF#10  -  [unnamed#2]  5.3 105.7 0 top
NOREF#11  -  [unnamed#2]  25.31 5.21 180 top
NOREF#12  -  [unnamed#2]  101.42 31.66 0 top
NOREF#13  -  [unnamed#2]  101.42 55.95 0 top
NOREF#14  -  [unnamed#2]  100.34 106.69 0 top
NOREF#15  -  [unnamed#2]  100.43 54.96 0 top
NOREF#16  -  [unnamed#2]  6.2 83.39 0 top
NOREF#17  -  [unnamed#2]  5.21 82.4 0 top
NOREF#18  -  [unnamed#2]  101.42 81.32 0 top
NOREF#19  -  [unnamed#2]  99.34 6.2 0 top
NOREF#20  -  [unnamed#2]  7.29 56.95 0 top
NOREF#21  -  [unnamed#2]  6.2 29.59 0 top
NOREF#22  -  [unnamed#2]  101.33 29.59 0 top
NOREF#23  -  [unnamed#2]  7.29 106.78 0 top
NOREF#24  -  [unnamed#2]  101.33 54.96 0 top
NOREF#25  -  [unnamed#2]  5.21 30.58 0 top
NOREF#26  -  [unnamed#2]  100.43 105.7 0 top
NOREF#27  -  [unnamed#2]  99.34 30.66 0 top
NOREF#28  -  [unnamed#2]  100.43 32.65 0 top
NOREF#29  -  [unnamed#2]  100.34 82.4 0 top
NOREF#30  -  [unnamed#2]  100.43 58.02 0 top
NOREF#31  -  [unnamed#2]  5.3 29.59 0 top
NOREF#32  -  [unnamed#2]  101.33 58.02 0 top
NOREF#33  -  [unnamed#2]  6.2 58.02 0 top
NOREF#34  -  [unnamed#2]  100.34 57.03 0 top
NOREF#35  -  [unnamed#2]  7.29 107.69 0 top
NOREF#36  -  [unnamed#2]  5.3 83.39 0 top
NOREF#37  -  [unnamed#2]  100.43 7.28 0 top
NOREF#38  -  [unnamed#2]  101.33 32.65 0 top
NOREF#39  -  [unnamed#2]  99.34 106.78 0 top
NOREF#40  -  [unnamed#2]  99.34 107.68 0 top
NOREF#41  -  [unnamed#2]  99.34 82.31 0 top
NOREF#42  -  [unnamed#2]  101.42 30.58 0 top
NOREF#43  -  [unnamed#2]  101.42 57.03 0 top
NOREF#44  -  [unnamed#2]  6.2 105.7 0 top
NOREF#45  -  [unnamed#2]  5.3 32.65 0 top
NOREF#46  -  [unnamed#2]  100.43 83.39 0 top
NOREF#47  -  [unnamed#2]  100.34 6.29 0 top
NOREF#48  -  [unnamed#2]  101.33 7.28 0 top
NOREF#49  -  [unnamed#2]  7.29 6.2 0 top
NOREF#50  -  [unnamed#2]  99.34 31.57 0 top
NOREF#51  -  [unnamed#2]  100.34 55.95 0 top
NOREF#52  -  [unnamed#2]  7.29 82.32 0 top
NOREF#53  -  [unnamed#2]  7.29 31.57 0 top
NOREF#54  -  [unnamed#2]  6.2 54.96 0 top
NOREF#55  -  [unnamed#3]  104.7 2.51 0 top
NOREF#56  -  [unnamed#2]  5.3 58.02 0 top
NOREF#57  -  [unnamed#2]  6.29 30.58 0 top
NOREF#58  -  [unnamed#2]  7.29 30.67 0 top
NOREF#59  -  [unnamed#2]  100.34 31.66 0 top
NOREF#60  -  [unnamed#2]  7.29 81.41 0 top
NOREF#61  -  [unnamed#2]  5.3 80.33 0 top
NOREF#62  -  [unnamed#2]  6.29 55.95 0 top
NOREF#63  -  [unnamed#2]  5.3 54.96 0 top
NOREF#64  -  [unnamed#2]  6.29 81.33 0 top
NOREF#65  -  [unnamed#2]  99.34 5.29 0 top
NOREF#66  -  [unnamed#2]  5.21 55.95 0 top
NOREF#67  -  [unnamed#3]  104.7 110.5 0 top
NOREF#68  -  [unnamed#2]  6.2 32.65 0 top
NOREF#69  -  [unnamed#2]  24.24 5.21 180 top
NOREF#70  -  [unnamed#2]  101.42 82.4 0 top
NOREF#71  -  [unnamed#2]  6.29 106.7 0 top
NOREF#72  -  [unnamed#2]  6.29 82.4 0 top
NOREF#73  -  [unnamed#2]  7.29 56.04 0 top
NOREF#74  -  [unnamed#2]  23.24 5.3 180 top
NOREF#75  -  [unnamed#2]  100.43 29.59 0 top
NOREF#76  -  [unnamed#2]  26.32 5.3 180 top
NOREF#77  -  [unnamed#2]  5.21 57.03 0 top
NOREF#78  -  [unnamed#2]  99.34 56.04 0 top
NOREF#79  -  [unnamed#2]  6.29 57.03 0 top
NOREF#80  -  [unnamed#2]  99.34 81.41 0 top
NOREF#81  -  [unnamed#2]  100.34 30.58 0 top
NOREF#82  -  [unnamed#2]  25.31 6.29 0 top
NOREF#83  -  [unnamed#2]  24.24 6.29 0 top
NOREF#84  -  [unnamed#2]  101.33 80.33 0 top
NOREF#85  -  [unnamed#2]  6.29 6.29 0 top
NOREF#86  -  [unnamed#2]  5.21 31.66 0 top
NOREF#87  -  [unnamed#2]  100.43 80.33 0 top
NOREF#88  -  [unnamed#2]  5.21 81.33 0 top
NOREF#89  -  [unnamed#2]  5.3 7.28 0 top
NOREF#90  -  [unnamed#2]  99.34 56.94 0 top
OSC1  SIT1532AC-J5-DCC-32.768D  [SIT1532AC]  16.14 13.35 180 top
OSC2  SIT1532AC-J5-DCC-32.768D  [SIT1532AC]  35.17 13.35 180 top
OSC3  SIT1532AC-J5-DCC-32.768D  [SIT1532AC]  54.2 13.35 180 top
OSC4  SIT1532AC-J5-DCC-32.768D  [SIT1532AC]  73.22 13.35 180 top
OSC5  SIT1532AC-J5-DCC-32.768D  [SIT1532AC]  92.25 13.35 180 top
OSC6  SIT1532AC-J5-DCC-32.768D  [SIT1532AC]  16.14 38.72 180 top
OSC7  SIT1532AC-J5-DCC-32.768D  [SIT1532AC]  35.17 38.72 180 top
OSC8  SIT1532AC-J5-DCC-32.768D  [SIT1532AC]  54.2 38.72 180 top
OSC9  SIT1532AC-J5-DCC-32.768D  [SIT1532AC]  73.22 38.72 180 top
OSC10  SIT1532AC-J5-DCC-32.768D  [SIT1532AC]  92.25 38.72 180 top
OSC11  SIT1532AC-J5-DCC-32.768D  [SIT1532AC]  16.14 64.09 180 top
OSC12  SIT1532AC-J5-DCC-32.768D  [SIT1532AC]  35.17 64.09 180 top
OSC13  SIT1532AC-J5-DCC-32.768D  [SIT1532AC]  54.2 64.09 180 top
OSC14  SIT1532AC-J5-DCC-32.768D  [SIT1532AC]  73.22 64.09 180 top
OSC15  SIT1532AC-J5-DCC-32.768D  [SIT1532AC]  92.25 64.09 180 top
OSC16  SIT1532AC-J5-DCC-32.768D  [SIT1532AC]  16.14 89.46 180 top
OSC17  SIT1532AC-J5-DCC-32.768D  [SIT1532AC]  35.17 89.46 180 top
OSC18  SIT1532AC-J5-DCC-32.768D  [SIT1532AC]  54.2 89.46 180 top
OSC19  SIT1532AC-J5-DCC-32.768D  [SIT1532AC]  73.22 89.46 180 top
OSC20  SIT1532AC-J5-DCC-32.768D  [SIT1532AC]  92.25 89.46 180 top
R1  10K0  [R0402]  10.54 9.31 180 top
R2  10K0  [R0402]  9.17 15.77 90 top
R3  10K0  [R0402]  9.17 17.55 270 top
R4  10K0  [R0402]  9.31 10.85 270 top
R5  10K0  [R0402]  14.16 12.64 90 top
R6  10K0  [R0402]  9.31 12.63 90 top
R7  10K0  [R0402]  14.16 10.85 270 top
R8  100K  [R0402]  20.88 12.26 270 top
R9  100K  [R0402]  19.95 12.26 270 top
R10  10K0  [R0402]  29.57 9.31 180 top
R11  10K0  [R0402]  28.19 15.77 90 top
R12  10K0  [R0402]  28.19 17.55 270 top
R13  10K0  [R0402]  28.33 10.85 270 top
R14  10K0  [R0402]  33.18 12.64 90 top
R15  10K0  [R0402]  28.33 12.63 90 top
R16  10K0  [R0402]  33.18 10.85 270 top
R17  100K  [R0402]  39.91 12.26 270 top
R18  100K  [R0402]  38.98 12.26 270 top
R19  10K0  [R0402]  48.59 9.31 180 top
R20  10K0  [R0402]  47.22 15.77 90 top
R21  10K0  [R0402]  47.22 17.55 270 top
R22  10K0  [R0402]  47.36 10.85 270 top
R23  10K0  [R0402]  52.21 12.64 90 top
R24  10K0  [R0402]  47.36 12.63 90 top
R25  10K0  [R0402]  52.21 10.85 270 top
R26  100K  [R0402]  58.93 12.26 270 top
R27  100K  [R0402]  58.01 12.26 270 top
R28  10K0  [R0402]  67.62 9.31 180 top
R29  10K0  [R0402]  66.25 15.77 90 top
R30  10K0  [R0402]  66.25 17.55 270 top
R31  10K0  [R0402]  66.38 10.85 270 top
R32  10K0  [R0402]  71.23 12.64 90 top
R33  10K0  [R0402]  66.38 12.63 90 top
R34  10K0  [R0402]  71.23 10.85 270 top
R35  100K  [R0402]  77.96 12.26 270 top
R36  100K  [R0402]  77.03 12.26 270 top
R37  10K0  [R0402]  86.65 9.31 180 top
R38  10K0  [R0402]  85.27 15.77 90 top
R39  10K0  [R0402]  85.27 17.55 270 top
R40  10K0  [R0402]  85.41 10.85 270 top
R41  10K0  [R0402]  90.26 12.64 90 top
R42  10K0  [R0402]  85.41 12.63 90 top
R43  10K0  [R0402]  90.26 10.85 270 top
R44  100K  [R0402]  96.98 12.26 270 top
R45  100K  [R0402]  96.06 12.26 270 top
R46  10K0  [R0402]  10.54 34.68 180 top
R47  10K0  [R0402]  9.17 41.14 90 top
R48  10K0  [R0402]  9.17 42.92 270 top
R49  10K0  [R0402]  9.31 36.22 270 top
R50  10K0  [R0402]  14.16 38.01 90 top
R51  10K0  [R0402]  9.31 38 90 top
R52  10K0  [R0402]  14.16 36.22 270 top
R53  100K  [R0402]  20.88 37.63 270 top
R54  100K  [R0402]  19.95 37.63 270 top
R55  10K0  [R0402]  29.57 34.68 180 top
R56  10K0  [R0402]  28.19 41.14 90 top
R57  10K0  [R0402]  28.19 42.92 270 top
R58  10K0  [R0402]  28.33 36.22 270 top
R59  10K0  [R0402]  33.18 38.01 90 top
R60  10K0  [R0402]  28.33 38 90 top
R61  10K0  [R0402]  33.18 36.22 270 top
R62  100K  [R0402]  39.91 37.63 270 top
R63  100K  [R0402]  38.98 37.63 270 top
R64  10K0  [R0402]  48.59 34.68 180 top
R65  10K0  [R0402]  47.22 41.14 90 top
R66  10K0  [R0402]  47.22 42.92 270 top
R67  10K0  [R0402]  47.36 36.22 270 top
R68  10K0  [R0402]  52.21 38.01 90 top
R69  10K0  [R0402]  47.36 38 90 top
R70  10K0  [R0402]  52.21 36.22 270 top
R71  100K  [R0402]  58.93 37.63 270 top
R72  100K  [R0402]  58.01 37.63 270 top
R73  10K0  [R0402]  67.62 34.68 180 top
R74  10K0  [R0402]  66.25 41.14 90 top
R75  10K0  [R0402]  66.25 42.92 270 top
R76  10K0  [R0402]  66.38 36.22 270 top
R77  10K0  [R0402]  71.23 38.01 90 top
R78  10K0  [R0402]  66.38 38 90 top
R79  10K0  [R0402]  71.23 36.22 270 top
R80  100K  [R0402]  77.96 37.63 270 top
R81  100K  [R0402]  77.03 37.63 270 top
R82  10K0  [R0402]  86.65 34.68 180 top
R83  10K0  [R0402]  85.27 41.14 90 top
R84  10K0  [R0402]  85.27 42.92 270 top
R85  10K0  [R0402]  85.41 36.22 270 top
R86  10K0  [R0402]  90.26 38.01 90 top
R87  10K0  [R0402]  85.41 38 90 top
R88  10K0  [R0402]  90.26 36.22 270 top
R89  100K  [R0402]  96.98 37.63 270 top
R90  100K  [R0402]  96.06 37.63 270 top
R91  10K0  [R0402]  10.54 60.05 180 top
R92  10K0  [R0402]  9.17 66.51 90 top
R93  10K0  [R0402]  9.17 68.29 270 top
